# Altium PCB sla2216.PcbDoc (part 1 of 3) (continued)
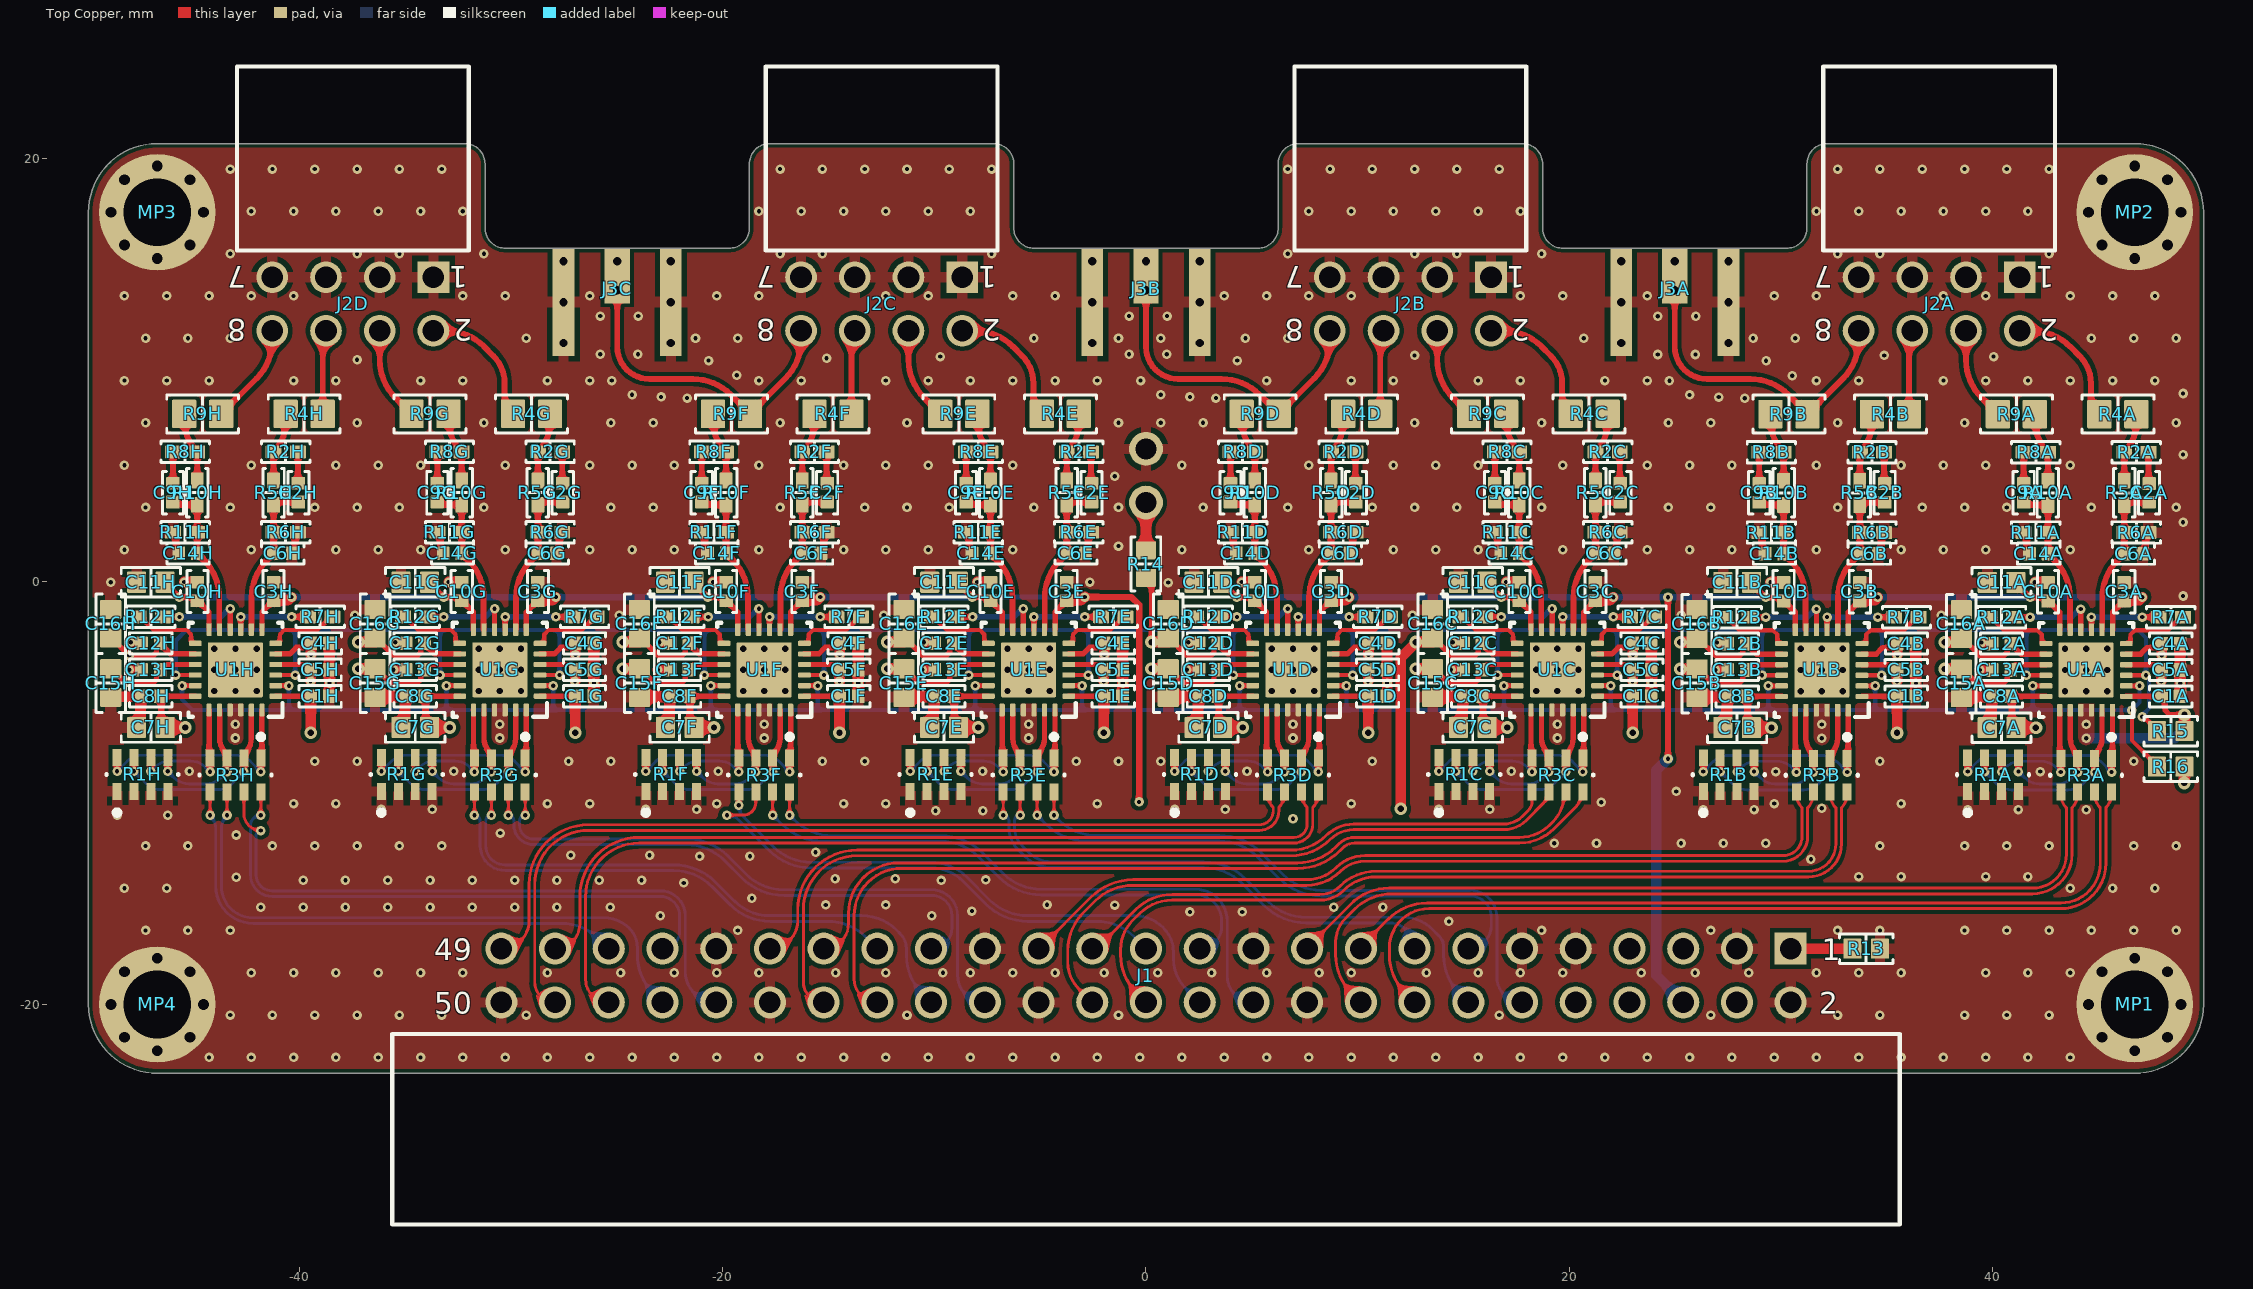
[diagram p0: Top Copper view]
## Design rules (kind name [scope] priority, off if disabled: settings) (continued)
23 further rules are at their usual default settings.

## Classes and differential pairs
net class 50_OHM: IN0 IN1 IN2 IN3 IN4 IN5 IN6 IN7 IN8 IN9 IN10 IN11 IN12 IN13 IN14 IN15 INAA_P INAB_P INAC_P INAD_P INAE_P INAF_P INAG_P INAH_P INBA_P INBB_P INBC_P INBD_P INBE_P INBF_P INBG_P INBH_P NetC2A_1 NetC2B_1 NetC2C_1 NetC2D_1 NetC2E_1 NetC2F_1 NetC2G_1 NetC2H_1 NetC9A_1 NetC9B_1 NetC9C_1 NetC9D_1 NetC9E_1 NetC9F_1 NetC9G_1 NetC9H_1 NetR2A_1 NetR2B_1 NetR2C_1 NetR2D_1 NetR2E_1 NetR2F_1 NetR2G_1 NetR2H_1 NetR8A_1 NetR8B_1 NetR8C_1 NetR8D_1 NetR8E_1 NetR8F_1 NetR8G_1 NetR8H_1
component class "SMA connector (C)": J3C
component class "SMA connector (B)": J3B
component class "SMA connector (A)": J3A
component class sla2216: MP1 MP2 MP3 MP4
component class "Oscilloscope connector": J1 LED1 R13 R14
component class "Measurement connector (D)": J2D
component class "Measurement connector (C)": J2C
component class "Measurement connector (B)": J2B
component class "Measurement connector (A)": J2A
component class "Latch enable pulls": R15 R16
component class "Comparator channels 14/15": C1H C2H C3H C4H C5H C6H C7H C8H C9H C10H C11H C12H C13H C14H C15H C16H R1H R2H R3H R4H R5H R6H R7H R8H R9H R10H R11H R12H U1H
component class "Comparator channels 12/13": C1G C2G C3G C4G C5G C6G C7G C8G C9G C10G C11G C12G C13G C14G C15G C16G R1G R2G R3G R4G R5G R6G R7G R8G R9G R10G R11G R12G U1G
component class "Comparator channels 10/11": C1F C2F C3F C4F C5F C6F C7F C8F C9F C10F C11F C12F C13F C14F C15F C16F R1F R2F R3F R4F R5F R6F R7F R8F R9F R10F R11F R12F U1F
component class "Comparator channels 8/9": C1E C2E C3E C4E C5E C6E C7E C8E C9E C10E C11E C12E C13E C14E C15E C16E R1E R2E R3E R4E R5E R6E R7E R8E R9E R10E R11E R12E U1E
component class "Comparator channels 6/7": C1D C2D C3D C4D C5D C6D C7D C8D C9D C10D C11D C12D C13D C14D C15D C16D R1D R2D R3D R4D R5D R6D R7D R8D R9D R10D R11D R12D U1D
component class "Comparator channels 4/5": C1C C2C C3C C4C C5C C6C C7C C8C C9C C10C C11C C12C C13C C14C C15C C16C R1C R2C R3C R4C R5C R6C R7C R8C R9C R10C R11C R12C U1C
component class "Comparator channels 2/3": C1B C2B C3B C4B C5B C6B C7B C8B C9B C10B C11B C12B C13B C14B C15B C16B R1B R2B R3B R4B R5B R6B R7B R8B R9B R10B R11B R12B U1B
component class "Comparator channels 0/1": C1A C2A C3A C4A C5A C6A C7A C8A C9A C10A C11A C12A C13A C14A C15A C16A R1A R2A R3A R4A R5A R6A R7A R8A R9A R10A R11A R12A U1A
channel class sla2216-conn-coax: "SMA connector (A)" "SMA connector (B)" "SMA connector (C)"
channel class sla2216-conn-dut: "Measurement connector (A)" "Measurement connector (B)" "Measurement connector (C)" "Measurement connector (D)"
channel class sla2216-comp: "Comparator channels 0/1" "Comparator channels 2/3" "Comparator channels 4/5" "Comparator channels 6/7" "Comparator channels 8/9" "Comparator channels 10/11" "Comparator channels 12/13" "Comparator channels 14/15"
differential pair class RSPECL: D0 D1 D2 D3 D4 D5 D6 D7 D8 D9 D10 D11 D12 D13 D14 D15
differential pair D15: +D15_P -D15_N
differential pair D14: +D14_P -D14_N
differential pair D13: +D13_P -D13_N
differential pair D12: +D12_P -D12_N
differential pair D11: +D11_P -D11_N
differential pair D10: +D10_P -D10_N
differential pair D9: +D9_P -D9_N
differential pair D8: +D8_P -D8_N
differential pair D7: +D7_P -D7_N
differential pair D6: +D6_P -D6_N
differential pair D5: +D5_P -D5_N
differential pair D4: +D4_P -D4_N
differential pair D3: +D3_P -D3_N
differential pair D2: +D2_P -D2_N
differential pair D1: +D1_P -D1_N
differential pair D0: +D0_P -D0_N

## Components (designator, comment, footprint, x,y, rotation, side; value= is the part's Value field where it differs from the comment)
C1A "CAPC_100n_10%_10V_X7R_0402" "CAP 0402/1005" 48.45,-5.435 r180 top (schematic designator C1)
C1B "CAPC_100n_10%_10V_X7R_0402" "CAP 0402/1005" 35.95,-5.435 r180 top (schematic designator C1)
C1C "CAPC_100n_10%_10V_X7R_0402" "CAP 0402/1005" 23.45,-5.425 r180 top (schematic designator C1)
C1D "CAPC_100n_10%_10V_X7R_0402" "CAP 0402/1005" 10.95,-5.425 r180 top (schematic designator C1)
C1E "CAPC_100n_10%_10V_X7R_0402" "CAP 0402/1005" -1.55,-5.425 r180 top (schematic designator C1)
C1F "CAPC_100n_10%_10V_X7R_0402" "CAP 0402/1005" -14.05,-5.425 r180 top (schematic designator C1)
C1G "CAPC_100n_10%_10V_X7R_0402" "CAP 0402/1005" -26.55,-5.425 r180 top (schematic designator C1)
C1H "CAPC_100n_10%_10V_X7R_0402" "CAP 0402/1005" -39.05,-5.425 r180 top (schematic designator C1)
C2A "CAPC_3p3_10%_16V_C0G_0402" "CAP 0402/1005" 47.425,4.19 r270 top (schematic designator C2)
C2B "CAPC_3p3_10%_16V_C0G_0402" "CAP 0402/1005" 34.925,4.19 r270 top (schematic designator C2)
C2C "CAPC_3p3_10%_16V_C0G_0402" "CAP 0402/1005" 22.425,4.2 r270 top (schematic designator C2)
C2D "CAPC_3p3_10%_16V_C0G_0402" "CAP 0402/1005" 9.925,4.2 r270 top (schematic designator C2)
C2E "CAPC_3p3_10%_16V_C0G_0402" "CAP 0402/1005" -2.575,4.2 r270 top (schematic designator C2)
C2F "CAPC_3p3_10%_16V_C0G_0402" "CAP 0402/1005" -15.075,4.2 r270 top (schematic designator C2)
C2G "CAPC_3p3_10%_16V_C0G_0402" "CAP 0402/1005" -27.575,4.2 r270 top (schematic designator C2)
C2H "CAPC_3p3_10%_16V_C0G_0402" "CAP 0402/1005" -40.075,4.2 r270 top (schematic designator C2)
C3A "CAPC_10n_10%_10V_X7R_0402" "CAP 0402/1005" 46.25,-0.485 r270 top (schematic designator C3)
C3B "CAPC_10n_10%_10V_X7R_0402" "CAP 0402/1005" 33.75,-0.485 r270 top (schematic designator C3)
C3C "CAPC_10n_10%_10V_X7R_0402" "CAP 0402/1005" 21.25,-0.475 r270 top (schematic designator C3)
C3D "CAPC_10n_10%_10V_X7R_0402" "CAP 0402/1005" 8.75,-0.475 r270 top (schematic designator C3)
C3E "CAPC_10n_10%_10V_X7R_0402" "CAP 0402/1005" -3.75,-0.475 r270 top (schematic designator C3)
C3F "CAPC_10n_10%_10V_X7R_0402" "CAP 0402/1005" -16.25,-0.475 r270 top (schematic designator C3)
C3G "CAPC_10n_10%_10V_X7R_0402" "CAP 0402/1005" -28.75,-0.475 r270 top (schematic designator C3)
C3H "CAPC_10n_10%_10V_X7R_0402" "CAP 0402/1005" -41.25,-0.475 r270 top (schematic designator C3)
C4A "CAPC_100n_10%_10V_X7R_0402" "CAP 0402/1005" 48.455,-2.935 r180 top (schematic designator C4)
C4B "CAPC_100n_10%_10V_X7R_0402" "CAP 0402/1005" 35.955,-2.935 r180 top (schematic designator C4)
C4C "CAPC_100n_10%_10V_X7R_0402" "CAP 0402/1005" 23.455,-2.925 r180 top (schematic designator C4)
C4D "CAPC_100n_10%_10V_X7R_0402" "CAP 0402/1005" 10.955,-2.925 r180 top (schematic designator C4)
C4E "CAPC_100n_10%_10V_X7R_0402" "CAP 0402/1005" -1.545,-2.925 r180 top (schematic designator C4)
C4F "CAPC_100n_10%_10V_X7R_0402" "CAP 0402/1005" -14.045,-2.925 r180 top (schematic designator C4)
C4G "CAPC_100n_10%_10V_X7R_0402" "CAP 0402/1005" -26.545,-2.925 r180 top (schematic designator C4)
C4H "CAPC_100n_10%_10V_X7R_0402" "CAP 0402/1005" -39.045,-2.925 r180 top (schematic designator C4)
C5A "CAPC_100n_10%_10V_X7R_0402" "CAP 0402/1005" 48.45,-4.185 r180 top (schematic designator C5)
C5B "CAPC_100n_10%_10V_X7R_0402" "CAP 0402/1005" 35.95,-4.185 r180 top (schematic designator C5)
C5C "CAPC_100n_10%_10V_X7R_0402" "CAP 0402/1005" 23.45,-4.175 r180 top (schematic designator C5)
C5D "CAPC_100n_10%_10V_X7R_0402" "CAP 0402/1005" 10.95,-4.175 r180 top (schematic designator C5)
C5E "CAPC_100n_10%_10V_X7R_0402" "CAP 0402/1005" -1.55,-4.175 r180 top (schematic designator C5)
C5F "CAPC_100n_10%_10V_X7R_0402" "CAP 0402/1005" -14.05,-4.175 r180 top (schematic designator C5)
C5G "CAPC_100n_10%_10V_X7R_0402" "CAP 0402/1005" -26.55,-4.175 r180 top (schematic designator C5)
C5H "CAPC_100n_10%_10V_X7R_0402" "CAP 0402/1005" -39.05,-4.175 r180 top (schematic designator C5)
C6A "CAPC_27p_10%_16V_C0G_0402" "CAP 0402/1005" 46.69,1.315 r0 top (schematic designator C6)
C6B "CAPC_27p_10%_16V_C0G_0402" "CAP 0402/1005" 34.19,1.315 r0 top (schematic designator C6)
C6C "CAPC_27p_10%_16V_C0G_0402" "CAP 0402/1005" 21.69,1.325 r0 top (schematic designator C6)
C6D "CAPC_27p_10%_16V_C0G_0402" "CAP 0402/1005" 9.19,1.325 r0 top (schematic designator C6)
C6E "CAPC_27p_10%_16V_C0G_0402" "CAP 0402/1005" -3.31,1.325 r0 top (schematic designator C6)
C6F "CAPC_27p_10%_16V_C0G_0402" "CAP 0402/1005" -15.81,1.325 r0 top (schematic designator C6)
C6G "CAPC_27p_10%_16V_C0G_0402" "CAP 0402/1005" -28.31,1.325 r0 top (schematic designator C6)
C6H "CAPC_27p_10%_16V_C0G_0402" "CAP 0402/1005" -40.81,1.325 r0 top (schematic designator C6)
C7A "CAPC_4μ7_10%_6V3_X7R_0603" "CAP 0603/1608" 40.45,-6.91 r180 top (schematic designator C7)
C7B "CAPC_4μ7_10%_6V3_X7R_0603" "CAP 0603/1608" 27.95,-6.91 r180 top (schematic designator C7)
C7C "CAPC_4μ7_10%_6V3_X7R_0603" "CAP 0603/1608" 15.45,-6.9 r180 top (schematic designator C7)
C7D "CAPC_4μ7_10%_6V3_X7R_0603" "CAP 0603/1608" 2.95,-6.9 r180 top (schematic designator C7)
C7E "CAPC_4μ7_10%_6V3_X7R_0603" "CAP 0603/1608" -9.55,-6.9 r180 top (schematic designator C7)
C7F "CAPC_4μ7_10%_6V3_X7R_0603" "CAP 0603/1608" -22.05,-6.9 r180 top (schematic designator C7)
C7G "CAPC_4μ7_10%_6V3_X7R_0603" "CAP 0603/1608" -34.55,-6.9 r180 top (schematic designator C7)
C7H "CAPC_4μ7_10%_6V3_X7R_0603" "CAP 0603/1608" -47.05,-6.9 r180 top (schematic designator C7)
C8A "CAPC_100n_10%_10V_X7R_0402" "CAP 0402/1005" 40.45,-5.435 r0 top (schematic designator C8)
C8B "CAPC_100n_10%_10V_X7R_0402" "CAP 0402/1005" 27.95,-5.435 r0 top (schematic designator C8)
C8C "CAPC_100n_10%_10V_X7R_0402" "CAP 0402/1005" 15.45,-5.425 r0 top (schematic designator C8)
C8D "CAPC_100n_10%_10V_X7R_0402" "CAP 0402/1005" 2.95,-5.425 r0 top (schematic designator C8)
C8E "CAPC_100n_10%_10V_X7R_0402" "CAP 0402/1005" -9.55,-5.425 r0 top (schematic designator C8)
C8F "CAPC_100n_10%_10V_X7R_0402" "CAP 0402/1005" -22.05,-5.425 r0 top (schematic designator C8)
C8G "CAPC_100n_10%_10V_X7R_0402" "CAP 0402/1005" -34.55,-5.425 r0 top (schematic designator C8)
C8H "CAPC_100n_10%_10V_X7R_0402" "CAP 0402/1005" -47.05,-5.425 r0 top (schematic designator C8)
C9A "CAPC_3p3_10%_16V_C0G_0402" "CAP 0402/1005" 41.495,4.19 r270 top (schematic designator C9)
C9B "CAPC_3p3_10%_16V_C0G_0402" "CAP 0402/1005" 28.995,4.19 r270 top (schematic designator C9)
C9C "CAPC_3p3_10%_16V_C0G_0402" "CAP 0402/1005" 16.495,4.2 r270 top (schematic designator C9)
C9D "CAPC_3p3_10%_16V_C0G_0402" "CAP 0402/1005" 3.995,4.2 r270 top (schematic designator C9)
C9E "CAPC_3p3_10%_16V_C0G_0402" "CAP 0402/1005" -8.505,4.2 r270 top (schematic designator C9)
C9F "CAPC_3p3_10%_16V_C0G_0402" "CAP 0402/1005" -21.005,4.2 r270 top (schematic designator C9)
C9G "CAPC_3p3_10%_16V_C0G_0402" "CAP 0402/1005" -33.505,4.2 r270 top (schematic designator C9)
C9H "CAPC_3p3_10%_16V_C0G_0402" "CAP 0402/1005" -46.005,4.2 r270 top (schematic designator C9)
C10A "CAPC_10n_10%_10V_X7R_0402" "CAP 0402/1005" 42.65,-0.485 r270 top (schematic designator C10)
C10B "CAPC_10n_10%_10V_X7R_0402" "CAP 0402/1005" 30.15,-0.485 r270 top (schematic designator C10)
C10C "CAPC_10n_10%_10V_X7R_0402" "CAP 0402/1005" 17.65,-0.475 r270 top (schematic designator C10)
C10D "CAPC_10n_10%_10V_X7R_0402" "CAP 0402/1005" 5.15,-0.475 r270 top (schematic designator C10)
C10E "CAPC_10n_10%_10V_X7R_0402" "CAP 0402/1005" -7.35,-0.475 r270 top (schematic designator C10)
C10F "CAPC_10n_10%_10V_X7R_0402" "CAP 0402/1005" -19.85,-0.475 r270 top (schematic designator C10)
C10G "CAPC_10n_10%_10V_X7R_0402" "CAP 0402/1005" -32.35,-0.475 r270 top (schematic designator C10)
C10H "CAPC_10n_10%_10V_X7R_0402" "CAP 0402/1005" -44.85,-0.475 r270 top (schematic designator C10)
C11A "CAPC_1μ_10%_6V3_X7R_0603" "CAP 0603/1608" 40.45,-0.045 r180 top (schematic designator C11)
C11B "CAPC_1μ_10%_6V3_X7R_0603" "CAP 0603/1608" 27.95,-0.045 r180 top (schematic designator C11)
C11C "CAPC_1μ_10%_6V3_X7R_0603" "CAP 0603/1608" 15.45,-0.035 r180 top (schematic designator C11)
C11D "CAPC_1μ_10%_6V3_X7R_0603" "CAP 0603/1608" 2.95,-0.035 r180 top (schematic designator C11)
C11E "CAPC_1μ_10%_6V3_X7R_0603" "CAP 0603/1608" -9.55,-0.035 r180 top (schematic designator C11)
C11F "CAPC_1μ_10%_6V3_X7R_0603" "CAP 0603/1608" -22.05,-0.035 r180 top (schematic designator C11)
C11G "CAPC_1μ_10%_6V3_X7R_0603" "CAP 0603/1608" -34.55,-0.035 r180 top (schematic designator C11)
C11H "CAPC_1μ_10%_6V3_X7R_0603" "CAP 0603/1608" -47.05,-0.035 r180 top (schematic designator C11)
C12A "CAPC_100n_10%_10V_X7R_0402" "CAP 0402/1005" 40.45,-2.935 r0 top (schematic designator C12)
C12B "CAPC_100n_10%_10V_X7R_0402" "CAP 0402/1005" 27.95,-2.935 r0 top (schematic designator C12)
C12C "CAPC_100n_10%_10V_X7R_0402" "CAP 0402/1005" 15.45,-2.925 r0 top (schematic designator C12)
C12D "CAPC_100n_10%_10V_X7R_0402" "CAP 0402/1005" 2.95,-2.925 r0 top (schematic designator C12)
C12E "CAPC_100n_10%_10V_X7R_0402" "CAP 0402/1005" -9.55,-2.925 r0 top (schematic designator C12)
C12F "CAPC_100n_10%_10V_X7R_0402" "CAP 0402/1005" -22.05,-2.925 r0 top (schematic designator C12)
C12G "CAPC_100n_10%_10V_X7R_0402" "CAP 0402/1005" -34.55,-2.925 r0 top (schematic designator C12)
C12H "CAPC_100n_10%_10V_X7R_0402" "CAP 0402/1005" -47.05,-2.925 r0 top (schematic designator C12)
C13A "CAPC_100n_10%_10V_X7R_0402" "CAP 0402/1005" 40.45,-4.185 r0 top (schematic designator C13)
C13B "CAPC_100n_10%_10V_X7R_0402" "CAP 0402/1005" 27.95,-4.185 r0 top (schematic designator C13)
C13C "CAPC_100n_10%_10V_X7R_0402" "CAP 0402/1005" 15.45,-4.175 r0 top (schematic designator C13)
C13D "CAPC_100n_10%_10V_X7R_0402" "CAP 0402/1005" 2.95,-4.175 r0 top (schematic designator C13)
C13E "CAPC_100n_10%_10V_X7R_0402" "CAP 0402/1005" -9.55,-4.175 r0 top (schematic designator C13)
C13F "CAPC_100n_10%_10V_X7R_0402" "CAP 0402/1005" -22.05,-4.175 r0 top (schematic designator C13)
C13G "CAPC_100n_10%_10V_X7R_0402" "CAP 0402/1005" -34.55,-4.175 r0 top (schematic designator C13)
C13H "CAPC_100n_10%_10V_X7R_0402" "CAP 0402/1005" -47.05,-4.175 r0 top (schematic designator C13)
C14A "CAPC_27p_10%_16V_C0G_0402" "CAP 0402/1005" 42.21,1.315 r180 top (schematic designator C14)
C14B "CAPC_27p_10%_16V_C0G_0402" "CAP 0402/1005" 29.71,1.315 r180 top (schematic designator C14)
C14C "CAPC_27p_10%_16V_C0G_0402" "CAP 0402/1005" 17.21,1.325 r180 top (schematic designator C14)
C14D "CAPC_27p_10%_16V_C0G_0402" "CAP 0402/1005" 4.71,1.325 r180 top (schematic designator C14)
C14E "CAPC_27p_10%_16V_C0G_0402" "CAP 0402/1005" -7.79,1.325 r180 top (schematic designator C14)
C14F "CAPC_27p_10%_16V_C0G_0402" "CAP 0402/1005" -20.29,1.325 r180 top (schematic designator C14)
C14G "CAPC_27p_10%_16V_C0G_0402" "CAP 0402/1005" -32.79,1.325 r180 top (schematic designator C14)
C14H "CAPC_27p_10%_16V_C0G_0402" "CAP 0402/1005" -45.29,1.325 r180 top (schematic designator C14)
C15A "CAPC_4μ7_10%_6V3_X7R_0603" "CAP 0603/1608" 38.55,-4.81 r270 top (schematic designator C15)
C15B "CAPC_4μ7_10%_6V3_X7R_0603" "CAP 0603/1608" 26.05,-4.81 r270 top (schematic designator C15)
C15C "CAPC_4μ7_10%_6V3_X7R_0603" "CAP 0603/1608" 13.55,-4.8 r270 top (schematic designator C15)
C15D "CAPC_4μ7_10%_6V3_X7R_0603" "CAP 0603/1608" 1.05,-4.8 r270 top (schematic designator C15)
C15E "CAPC_4μ7_10%_6V3_X7R_0603" "CAP 0603/1608" -11.45,-4.8 r270 top (schematic designator C15)
C15F "CAPC_4μ7_10%_6V3_X7R_0603" "CAP 0603/1608" -23.95,-4.8 r270 top (schematic designator C15)
C15G "CAPC_4μ7_10%_6V3_X7R_0603" "CAP 0603/1608" -36.45,-4.8 r270 top (schematic designator C15)
C15H "CAPC_4μ7_10%_6V3_X7R_0603" "CAP 0603/1608" -48.95,-4.8 r270 top (schematic designator C15)
C16A "CAPC_4μ7_10%_6V3_X7R_0603" "CAP 0603/1608" 38.55,-2.01 r270 top (schematic designator C16)
C16B "CAPC_4μ7_10%_6V3_X7R_0603" "CAP 0603/1608" 26.05,-2.01 r270 top (schematic designator C16)
C16C "CAPC_4μ7_10%_6V3_X7R_0603" "CAP 0603/1608" 13.55,-2 r270 top (schematic designator C16)
C16D "CAPC_4μ7_10%_6V3_X7R_0603" "CAP 0603/1608" 1.05,-2 r270 top (schematic designator C16)
C16E "CAPC_4μ7_10%_6V3_X7R_0603" "CAP 0603/1608" -11.45,-2 r270 top (schematic designator C16)
C16F "CAPC_4μ7_10%_6V3_X7R_0603" "CAP 0603/1608" -23.95,-2 r270 top (schematic designator C16)
C16G "CAPC_4μ7_10%_6V3_X7R_0603" "CAP 0603/1608" -36.45,-2 r270 top (schematic designator C16)
C16H "CAPC_4μ7_10%_6V3_X7R_0603" "CAP 0603/1608" -48.95,-2 r270 top (schematic designator C16)
J1 "612050235221" 612050235221 0,-25.9 r0 top locked
J2A "613008243121" 613008243121 37.5,20 r180 top locked (schematic designator J2)
J2B "613008243121" 613008243121 12.5,20 r180 top locked (schematic designator J2)
J2C "613008243121" 613008243121 -12.5,20 r180 top locked (schematic designator J2)
J2D "613008243121" 613008243121 -37.5,20 r180 top locked (schematic designator J2)
J3A "60312252111535" 60312252111535 25,22.025 r180 top locked (schematic designator J3)
J3B "60312252111535" 60312252111535 0,22.025 r180 top locked (schematic designator J3)
J3C "60312252111535" 60312252111535 -25,22.025 r180 top locked (schematic designator J3)
LED1 "151051BS04000" "Type 5mm" 0,5 r90 bottom
MP1 "M3" "MP M3" 46.75,-20 r0 top
MP2 "M3" "MP M3" 46.75,17.455 r0 top
MP3 "M3" "MP M3" -46.75,17.455 r0 top
MP4 "M3" "MP M3" -46.75,-20 r0 top
R1A "CAT16-221J4LF" FP-CAT16-F4-MFG 40.05,-9.135 r0 top (schematic designator R1)
R1B "CAT16-221J4LF" FP-CAT16-F4-MFG 27.55,-9.135 r0 top (schematic designator R1)
R1C "CAT16-221J4LF" FP-CAT16-F4-MFG 15.05,-9.125 r0 top (schematic designator R1)
R1D "CAT16-221J4LF" FP-CAT16-F4-MFG 2.55,-9.125 r0 top (schematic designator R1)
R1E "CAT16-221J4LF" FP-CAT16-F4-MFG -9.95,-9.125 r0 top (schematic designator R1)
R1F "CAT16-221J4LF" FP-CAT16-F4-MFG -22.45,-9.125 r0 top (schematic designator R1)
R1G "CAT16-221J4LF" FP-CAT16-F4-MFG -34.95,-9.125 r0 top (schematic designator R1)
R1H "CAT16-221J4LF" FP-CAT16-F4-MFG -47.45,-9.125 r0 top (schematic designator R1)
R2A "RES_497Ω_5%_50V_0402" "RES 0402/1005" 46.825,6.115 r0 top (schematic designator R2)
R2B "RES_497Ω_5%_50V_0402" "RES 0402/1005" 34.325,6.115 r0 top (schematic designator R2)
R2C "RES_497Ω_5%_50V_0402" "RES 0402/1005" 21.825,6.125 r0 top (schematic designator R2)
R2D "RES_497Ω_5%_50V_0402" "RES 0402/1005" 9.325,6.125 r0 top (schematic designator R2)
R2E "RES_497Ω_5%_50V_0402" "RES 0402/1005" -3.175,6.125 r0 top (schematic designator R2)
R2F "RES_497Ω_5%_50V_0402" "RES 0402/1005" -15.675,6.125 r0 top (schematic designator R2)
R2G "RES_497Ω_5%_50V_0402" "RES 0402/1005" -28.175,6.125 r0 top (schematic designator R2)
R2H "RES_497Ω_5%_50V_0402" "RES 0402/1005" -40.675,6.125 r0 top (schematic designator R2)
R3A "CAT16-49R9F4LF" FP-CAT16-F4-MFG 44.45,-9.16 r180 top (schematic designator R3)
R3B "CAT16-49R9F4LF" FP-CAT16-F4-MFG 31.95,-9.16 r180 top (schematic designator R3)
R3C "CAT16-49R9F4LF" FP-CAT16-F4-MFG 19.45,-9.15 r180 top (schematic designator R3)
R3D "CAT16-49R9F4LF" FP-CAT16-F4-MFG 6.95,-9.15 r180 top (schematic designator R3)
R3E "CAT16-49R9F4LF" FP-CAT16-F4-MFG -5.55,-9.15 r180 top (schematic designator R3)
R3F "CAT16-49R9F4LF" FP-CAT16-F4-MFG -18.05,-9.15 r180 top (schematic designator R3)
R3G "CAT16-49R9F4LF" FP-CAT16-F4-MFG -30.55,-9.15 r180 top (schematic designator R3)
R3H "CAT16-49R9F4LF" FP-CAT16-F4-MFG -43.05,-9.15 r180 top (schematic designator R3)
R4A "RES_300Ω_5%_50V_0805" "RES 0805/2012" 45.95,7.915 r0 top (schematic designator R4)
R4B "RES_300Ω_5%_50V_0805" "RES 0805/2012" 35.2,7.915 r180 top (schematic designator R4)
R4C "RES_300Ω_5%_50V_0805" "RES 0805/2012" 20.95,7.925 r0 top (schematic designator R4)
R4D "RES_300Ω_5%_50V_0805" "RES 0805/2012" 10.2,7.925 r180 top (schematic designator R4)
R4E "RES_300Ω_5%_50V_0805" "RES 0805/2012" -4.05,7.925 r0 top (schematic designator R4)
R4F "RES_300Ω_5%_50V_0805" "RES 0805/2012" -14.8,7.925 r180 top (schematic designator R4)
R4G "RES_300Ω_5%_50V_0805" "RES 0805/2012" -29.05,7.925 r0 top (schematic designator R4)
R4H "RES_300Ω_5%_50V_0805" "RES 0805/2012" -39.8,7.925 r180 top (schematic designator R4)
R5A "RES_90k8_5%_50V_0402" "RES 0402/1005" 46.25,4.19 r270 top (schematic designator R5)
R5B "RES_90k8_5%_50V_0402" "RES 0402/1005" 33.75,4.19 r270 top (schematic designator R5)
R5C "RES_90k8_5%_50V_0402" "RES 0402/1005" 21.25,4.2 r270 top (schematic designator R5)
R5D "RES_90k8_5%_50V_0402" "RES 0402/1005" 8.75,4.2 r270 top (schematic designator R5)
R5E "RES_90k8_5%_50V_0402" "RES 0402/1005" -3.75,4.2 r270 top (schematic designator R5)
R5F "RES_90k8_5%_50V_0402" "RES 0402/1005" -16.25,4.2 r270 top (schematic designator R5)
R5G "RES_90k8_5%_50V_0402" "RES 0402/1005" -28.75,4.2 r270 top (schematic designator R5)
R5H "RES_90k8_5%_50V_0402" "RES 0402/1005" -41.25,4.2 r270 top (schematic designator R5)
R6A "RES_10k_5%_50V_0402" "RES 0402/1005" 46.825,2.315 r0 top (schematic designator R6)
R6B "RES_10k_5%_50V_0402" "RES 0402/1005" 34.325,2.315 r0 top (schematic designator R6)
R6C "RES_10k_5%_50V_0402" "RES 0402/1005" 21.825,2.325 r0 top (schematic designator R6)
R6D "RES_10k_5%_50V_0402" "RES 0402/1005" 9.325,2.325 r0 top (schematic designator R6)
R6E "RES_10k_5%_50V_0402" "RES 0402/1005" -3.175,2.325 r0 top (schematic designator R6)
R6F "RES_10k_5%_50V_0402" "RES 0402/1005" -15.675,2.325 r0 top (schematic designator R6)
R6G "RES_10k_5%_50V_0402" "RES 0402/1005" -28.175,2.325 r0 top (schematic designator R6)
R6H "RES_10k_5%_50V_0402" "RES 0402/1005" -40.675,2.325 r0 top (schematic designator R6)
R7A "RES_10k_5%_50V_0402" "RES 0402/1005" 48.455,-1.685 r0 top (schematic designator R7)
R7B "RES_10k_5%_50V_0402" "RES 0402/1005" 35.955,-1.685 r0 top (schematic designator R7)
R7C "RES_10k_5%_50V_0402" "RES 0402/1005" 23.455,-1.675 r0 top (schematic designator R7)
R7D "RES_10k_5%_50V_0402" "RES 0402/1005" 10.955,-1.675 r0 top (schematic designator R7)
R7E "RES_10k_5%_50V_0402" "RES 0402/1005" -1.545,-1.675 r0 top (schematic designator R7)
R7F "RES_10k_5%_50V_0402" "RES 0402/1005" -14.045,-1.675 r0 top (schematic designator R7)
R7G "RES_10k_5%_50V_0402" "RES 0402/1005" -26.545,-1.675 r0 top (schematic designator R7)
R7H "RES_10k_5%_50V_0402" "RES 0402/1005" -39.045,-1.675 r0 top (schematic designator R7)
R8A "RES_497Ω_5%_50V_0402" "RES 0402/1005" 42.07,6.115 r180 top (schematic designator R8)
R8B "RES_497Ω_5%_50V_0402" "RES 0402/1005" 29.57,6.115 r180 top (schematic designator R8)
R8C "RES_497Ω_5%_50V_0402" "RES 0402/1005" 17.07,6.125 r180 top (schematic designator R8)
R8D "RES_497Ω_5%_50V_0402" "RES 0402/1005" 4.57,6.125 r180 top (schematic designator R8)
R8E "RES_497Ω_5%_50V_0402" "RES 0402/1005" -7.93,6.125 r180 top (schematic designator R8)
R8F "RES_497Ω_5%_50V_0402" "RES 0402/1005" -20.43,6.125 r180 top (schematic designator R8)
R8G "RES_497Ω_5%_50V_0402" "RES 0402/1005" -32.93,6.125 r180 top (schematic designator R8)
R8H "RES_497Ω_5%_50V_0402" "RES 0402/1005" -45.43,6.125 r180 top (schematic designator R8)
R9A "RES_300Ω_5%_50V_0805" "RES 0805/2012" 41.15,7.915 r0 top (schematic designator R9)
R9B "RES_300Ω_5%_50V_0805" "RES 0805/2012" 30.4,7.915 r180 top (schematic designator R9)
R9C "RES_300Ω_5%_50V_0805" "RES 0805/2012" 16.15,7.925 r0 top (schematic designator R9)
R9D "RES_300Ω_5%_50V_0805" "RES 0805/2012" 5.4,7.925 r180 top (schematic designator R9)
R9E "RES_300Ω_5%_50V_0805" "RES 0805/2012" -8.85,7.925 r0 top (schematic designator R9)
R9F "RES_300Ω_5%_50V_0805" "RES 0805/2012" -19.6,7.925 r180 top (schematic designator R9)
R9G "RES_300Ω_5%_50V_0805" "RES 0805/2012" -33.85,7.925 r0 top (schematic designator R9)
R9H "RES_300Ω_5%_50V_0805" "RES 0805/2012" -44.6,7.925 r180 top (schematic designator R9)
R10A "RES_90k8_5%_50V_0402" "RES 0402/1005" 42.645,4.19 r270 top (schematic designator R10)
R10B "RES_90k8_5%_50V_0402" "RES 0402/1005" 30.145,4.19 r270 top (schematic designator R10)
R10C "RES_90k8_5%_50V_0402" "RES 0402/1005" 17.645,4.2 r270 top (schematic designator R10)
R10D "RES_90k8_5%_50V_0402" "RES 0402/1005" 5.145,4.2 r270 top (schematic designator R10)
R10E "RES_90k8_5%_50V_0402" "RES 0402/1005" -7.355,4.2 r270 top (schematic designator R10)
R10F "RES_90k8_5%_50V_0402" "RES 0402/1005" -19.855,4.2 r270 top (schematic designator R10)
R10G "RES_90k8_5%_50V_0402" "RES 0402/1005" -32.355,4.2 r270 top (schematic designator R10)
R10H "RES_90k8_5%_50V_0402" "RES 0402/1005" -44.855,4.2 r270 top (schematic designator R10)
R11A "RES_10k_5%_50V_0402" "RES 0402/1005" 42.07,2.315 r180 top (schematic designator R11)
R11B "RES_10k_5%_50V_0402" "RES 0402/1005" 29.57,2.315 r180 top (schematic designator R11)
R11C "RES_10k_5%_50V_0402" "RES 0402/1005" 17.07,2.325 r180 top (schematic designator R11)
R11D "RES_10k_5%_50V_0402" "RES 0402/1005" 4.57,2.325 r180 top (schematic designator R11)
R11E "RES_10k_5%_50V_0402" "RES 0402/1005" -7.93,2.325 r180 top (schematic designator R11)
R11F "RES_10k_5%_50V_0402" "RES 0402/1005" -20.43,2.325 r180 top (schematic designator R11)
R11G "RES_10k_5%_50V_0402" "RES 0402/1005" -32.93,2.325 r180 top (schematic designator R11)
R11H "RES_10k_5%_50V_0402" "RES 0402/1005" -45.43,2.325 r180 top (schematic designator R11)
R12A "RES_10k_5%_50V_0402" "RES 0402/1005" 40.45,-1.685 r180 top (schematic designator R12)
R12B "RES_10k_5%_50V_0402" "RES 0402/1005" 27.95,-1.685 r180 top (schematic designator R12)
R12C "RES_10k_5%_50V_0402" "RES 0402/1005" 15.45,-1.675 r180 top (schematic designator R12)
R12D "RES_10k_5%_50V_0402" "RES 0402/1005" 2.95,-1.675 r180 top (schematic designator R12)
R12E "RES_10k_5%_50V_0402" "RES 0402/1005" -9.55,-1.675 r180 top (schematic designator R12)
R12F "RES_10k_5%_50V_0402" "RES 0402/1005" -22.05,-1.675 r180 top (schematic designator R12)
R12G "RES_10k_5%_50V_0402" "RES 0402/1005" -34.55,-1.675 r180 top (schematic designator R12)
R12H "RES_10k_5%_50V_0402" "RES 0402/1005" -47.05,-1.675 r180 top (schematic designator R12)
R13 "RES_0Ω_5%_50V_0603" "RES 0603/1608" 34.05,-17.36 r180 top
R14 "RES_100Ω_5%_50V_0603" "RES 0603/1608" -0.003,0.825 r270 top
R15 "RES_10k_5%_50V_0603" "RES 0603/1608" 48.455,-7.075 r180 top
R16 "RES_10k_5%_50V_0603" "RES 0603/1608" 48.45,-8.75 r180 top
U1A "LMH7322SQ/NOPB" RTW0024A_V 44.45,-4.185 r180 top locked (schematic designator U1)
U1B "LMH7322SQ/NOPB" RTW0024A_V 31.95,-4.185 r180 top locked (schematic designator U1)
U1C "LMH7322SQ/NOPB" RTW0024A_V 19.45,-4.175 r180 top locked (schematic designator U1)
U1D "LMH7322SQ/NOPB" RTW0024A_V 6.95,-4.175 r180 top locked (schematic designator U1)
U1E "LMH7322SQ/NOPB" RTW0024A_V -5.55,-4.175 r180 top locked (schematic designator U1)
U1F "LMH7322SQ/NOPB" RTW0024A_V -18.05,-4.175 r180 top locked (schematic designator U1)
U1G "LMH7322SQ/NOPB" RTW0024A_V -30.55,-4.175 r180 top locked (schematic designator U1)
U1H "LMH7322SQ/NOPB" RTW0024A_V -43.05,-4.175 r180 top locked (schematic designator U1)

## Footprints (in the part's own frame and the unit in brackets; to place one, negate y for a bottom-side part, rotate by r counter-clockwise, add the part's x,y. Pads: shape width x height; smd on the part's side, far side on the other; paste and mask are expansions set on the pad)
612050235221 [mm] "50 pins, right angled, gold plating, High Temperature"
  rect 1.52x1.52 hole 1.02: 1(30.48,8.54)
  round 1.52 hole 1.02: 2(30.48,6) 3(27.94,8.54) 4(27.94,6) 5(25.4,8.54) 6(25.4,6) 7(22.86,8.54) 8(22.86,6) 9(20.32,8.54) 10(20.32,6) 11(17.78,8.54) 12(17.78,6) 13(15.24,8.54) 14(15.24,6) 15(12.7,8.54) 16(12.7,6) 17(10.16,8.54) 18(10.16,6) 19(7.62,8.54) 20(7.62,6) 21(5.08,8.54) 22(5.08,6) 23(2.54,8.54) 24(2.54,6) 25(0,8.54) 26(0,6) 27(-2.54,8.54) 28(-2.54,6) 29(-5.08,8.54) 30(-5.08,6) 31(-7.62,8.54) 32(-7.62,6) 33(-10.16,8.54) 34(-10.16,6) 35(-12.7,8.54) 36(-12.7,6) 37(-15.24,8.54) 38(-15.24,6) 39(-17.78,8.54) 40(-17.78,6) 41(-20.32,8.54) 42(-20.32,6) 43(-22.86,8.54) 44(-22.86,6) 45(-25.4,8.54) 46(-25.4,6) 47(-27.94,8.54) 48(-27.94,6) 49(-30.48,8.54) 50(-30.48,6)
  silkscreen extent -35.64,-4.5 35.64,4.5, body extent -35.58,-4.4 35.58,8.86, height 9.1
613008243121 [mm] "Socket Header, Pitch 2.54 mm, THT, Angled, dual row, 8p"
  rect 1.5x1.5 hole 1.02: 1(-3.81,5.61)
  round 1.5 hole 1.02: 2(-3.81,8.15) 3(-1.27,5.61) 4(-1.27,8.15) 5(1.27,5.61) 6(1.27,8.15) 7(3.81,5.61) 8(3.81,8.15)
  silkscreen extent -5.48,-4.35 5.48,4.35, body extent -5.33,-4.25 5.33,8.35, height 5.05
60312252111535 [mm] "SMA End launch PCB Bulkhead Jack"
  rect 1.2x2.6 smd: 1(0,7.57)
  rect 1.02x5.1 smd: 2(-2.54,8.82) 3(2.54,8.82)
  rect 1.02x5.1 smd far side: 4(-2.54,8.82) 5(2.54,8.82)
  body extent -5.1,-11.38 5.1,11.38, height 5.36
"CAP 0402/1005" [mm] "Chip Capacitor, 2-Leads, Body 1.02x0.51mm, IPC Medium Density"
  rrect10% 0.6x0.64 smd: 1(-0.44,0) 2(0.44,0)
  silkscreen extent -1,-0.5 1,0.5, body extent -0.5,-0.26 0.5,0.26, height 0.52
"CAP 0603/1608" [mm] "Chip Capacitor, 2-Leads, Body 1.60x0.80mm, IPC Medium Density"
  rrect10% 0.9x1 smd: 1(-0.675,0) 2(0.675,0)
  silkscreen extent -1.4,-0.7 1.4,0.7, body extent -0.8,-0.41 0.8,0.41, height 0.82
FP-CAT16-F4-MFG [mm]
  rect 0.425x0.8 smd paste+0 mask+0: 1(-1.2,-0.8) 2(-0.4,-0.8) 3(0.4,-0.8) 4(1.2,-0.8) 5(1.2,0.8) 6(0.4,0.8) 7(-0.4,0.8) 8(-1.2,0.8)
  silkscreen extent -1.7,-1.92 1.7,0.03, body extent -1.8,-1.3 1.8,1.3, height 0.25
"MP M3" [mil] "M3 mountpoint"
  round 40 hole 20: MP(-86,0) MP(-60.81,-60.81) MP(-60.81,60.81) MP(0,-86) MP(0,86) MP(60.81,-60.81) MP(60.81,60.81) MP(86,0)
  round 216.54 hole 125.98: MP(0,0)
"RES 0402/1005" [mm] "Chip Resistor, 2-Leads, Body 1.0x0.5mm, IPC Medium Density"
  rrect10% 0.75x0.6 smd: 1(-0.575,0) 2(0.575,0)
  silkscreen extent -1.14,-0.51 1.14,0.51, body extent -0.5,-0.25 0.5,0.25, height 0.35
"RES 0603/1608" [mm] "Chip Resistor, 2-Leads, Body 1.60x0.80mm, IPC Medium Density"
  rrect10% 0.85x0.95 smd: 1(-0.65,0) 2(0.65,0)
  silkscreen extent -1.27,-0.7 1.27,0.7, body extent -0.8,-0.4 0.8,0.4, height 0.45
"RES 0805/2012" [mm] "Chip Resistor, 2-Leads, Body 2.00x1.25mm, IPC Medium Density"
  rrect10% 1.15x1.35 smd: 1(-0.875,0) 2(0.875,0)
  silkscreen extent -1.7,-0.9 1.7,0.9, body extent -0.95,-0.62 1.05,0.63, height 0.6
RTW0024A_V [mm] "QFN, 24-Leads, Body 4x4mm, Pitch 0.5mm, Thermal Pad 2.6x2.6mm, TI Recommended"
  rrect40% 0.6x0.25 smd mask+0.051: 1(-1.9,1.25) 2(-1.9,0.75) 3(-1.9,0.25) 4(-1.9,-0.25) 5(-1.9,-0.75) 6(-1.9,-1.25) 13(1.9,-1.25) 14(1.9,-0.75) 15(1.9,-0.25) 16(1.9,0.25) 17(1.9,0.75) 18(1.9,1.25)
  rrect40% 0.25x0.6 smd mask+0.051: 7(-1.25,-1.9) 8(-0.75,-1.9) 9(-0.25,-1.9) 10(0.25,-1.9) 11(0.75,-1.9) 12(1.25,-1.9) 19(1.25,1.9) 20(0.75,1.9) 21(0.25,1.9) 22(-0.25,1.9) 23(-0.75,1.9) 24(-1.25,1.9)
  rrect4% 2.6x2.6 smd paste-1.3 mask+0.051: 25(0,0)
  silkscreen extent -2.22,-2.22 2.22,2.22, body extent -2,-2 2,2, height 0.8
"Type 5mm" [mm] "THT, LED-5mm, 2pin- Body 5.8mm"
  round 1.6 hole 1: 1(1.27,0) 2(-1.27,0)
  silkscreen extent -2.9,-2.9 2.29,2.9, body extent -2.9,-2.9 2.5,2.9, height 8.6

## Part data
C1A C1B C1C C1D C1E C1F C1G C1H C4A C4B C4C C4D C4E C4F C4G C4H C5A C5B C5C C5D C5E C5F C5G C5H C8A C8B C8C C8D C8E C8F C8G C8H C12A C12B C12C C12D C12E C12F C12G C12H C13A C13B C13C C13D C13E C13F C13G C13H: library part Capacitor, "Ceramic Capacitor", Capacitance=100n, Dielectric=X7R, Package=0402, Rated Voltage=10V, Tolerance=10%, BOMref=CAPC_100n_10%_10V_X7R_0402
C2A C2B C2C C2D C2E C2F C2G C2H C9A C9B C9C C9D C9E C9F C9G C9H: library part Capacitor, "Ceramic Capacitor", Capacitance=3p3, Dielectric=C0G, Package=0402, Rated Voltage=16V, Tolerance=10%, BOMref=CAPC_3p3_10%_16V_C0G_0402
C3A C3B C3C C3D C3E C3F C3G C3H C10A C10B C10C C10D C10E C10F C10G C10H: library part Capacitor, "Ceramic Capacitor", Capacitance=10n, Dielectric=X7R, Package=0402, Rated Voltage=10V, Tolerance=10%, BOMref=CAPC_10n_10%_10V_X7R_0402
C6A C6B C6C C6D C6E C6F C6G C6H C14A C14B C14C C14D C14E C14F C14G C14H: library part Capacitor, "Ceramic Capacitor", Capacitance=27p, Dielectric=C0G, Package=0402, Rated Voltage=16V, Tolerance=10%, BOMref=CAPC_27p_10%_16V_C0G_0402
C7A C7B C7C C7D C7E C7F C7G C7H C15A C15B C15C C15D C15E C15F C15G C15H C16A C16B C16C C16D C16E C16F C16G C16H: library part Capacitor, "Ceramic Capacitor", Capacitance=4μ7, Dielectric=X7R, Package=0603, Rated Voltage=6V3, Tolerance=10%, BOMref=CAPC_4μ7_10%_6V3_X7R_0603
C11A C11B C11C C11D C11E C11F C11G C11H: library part Capacitor, "Ceramic Capacitor", Capacitance=1μ, Dielectric=X7R, Package=0603, Rated Voltage=6V3, Tolerance=10%, BOMref=CAPC_1μ_10%_6V3_X7R_0603
J1: library part CMP-1502-00050-1, "Male Box Header WR-BHD, THT, Angled, pitch 2.54 mm, 50 pins", Contact Resistance=20mOhm, Manufacturer="Wurth Elektronik", Operating Temperature=-40to125degC, Withstanding Voltage=500VAC, Working Voltage=250VAC, Datasheet URL=https://katalog.we-online.de/em/datasheet/6120xx235221.pdf, Gender=Male, Manufacturer URL=http://www.we-online.de, Mounting Technology=THT, Orientation=Angled, Package Reference=612050235221, Packaging=Tray, Part Number=612050235221, Pin Number=50, Pitch=2.54mm, Published Date=August2018, Publisher=WurthElektronik
J2A J2B J2C J2D: library part CMP-1502-01417-1, "THT Angled Socket Header WR-PHD, Pitch 2.54 mm, Dual Row, 8 pins", Contact Resistance=20mOhm, Manufacturer="Wurth Elektronik", Operating Temperature=-40to125degC, Rated Current=3A, Withstanding Voltage=500VAC, Working Voltage=250VAC, Datasheet URL=https://katalog.we-online.de/em/datasheet/6130xx243121.pdf, Gender=Female, Manufacturer URL=http://www.we-online.de, Mounting Technology=THT, Orientation=Angled, Package Reference=613008243121, Packaging=Tray, Part Number=613008243121, Pin Number=8, Pitch=2.54mm, Publisher=WurthElektronik, Row Number=Dual
J3A J3B J3C: "WR-SMA Connector, PCB End Launch Jack, IP67, DC~6GHz, 50Ohm", Frequency Range=DC~6GHz, Manufacturer="Wurth Elektronik", Operating Temperature="-65 to +165degC", Center Contact Diameter="0.51 WIDE x 0.25 THK", ComponentLink1Description=Manufacturer, ComponentLink1URL=http://www.we-online.de, ComponentLink2Description=Datasheet, ComponentLink2URL=https://www.we-online.com/catalog/datasheet/60312252111535.pdf, Connector Type=SMA, Gender=Jack, Impedance=50Ohm, Interface=MIL-STD-348, Manufacturer Part Number=60312252111535, Mounting Technology="End Launch", Orientation Type=Straight, Packaging=Tray, Published Date="November 2021"
LED1: library part CMP-1488-00009-1, "THT LED round mono-color color lens, WL-TMRW, Blue", Emitting color=Blue, Manufacturer="Wuerth Elektronik", ComponentLink1Description="Manufacturer URL", ComponentLink1URL=http://www.we-online.com, ComponentLink2Description=Datasheet, ComponentLink2URL=http://katalog.we-online.de/pbs/datasheet/7448042001.pdfhttp://katalog.we-online.de/pbs/datasheet/7448042001.pdfhttp://katalog.we-online.de/pbs/datasheet/7448042001.pdfhttp://katalog.we-online.de/pbs/datasheet/151051BS04000.pdf, PackageReference="Type 5mm", PartNumber=151051BS04000
MP1 MP2 MP3 MP4: library part Mountpoint, "PCB mountpoint"
R1A R1B R1C R1D R1E R1F R1G R1H: library part CMP-07230-000005-1, "RES ARRAY 4 RES 220 OHM 1206", Case Code (Imperial)=1206, Case Code (Metric)=3216, Max Operating Temperature=125°C, Min Operating Temperature=-55°C, Number of Resistors=4, Package Quantity=1, Power Per Element=62.5mW, Power Rating=248mW, Resistance=49.9R, Temperature Coefficient=200ppm/°C, Tolerance=1%, Voltage Rating=50V, Case/Package=1206, Circuit Type=Isolated, Depth=1.6mm, Height=0.024inch, Lead Pitch=0.8mm, Length=3.2mm, Military Standard=Not, Mount="Surface Mount", Number of Elements=4, Number of Pins=8, Number of Terminals=8, Packaging="Tape and Reel", Radiation Hardening=No, REACH SVHC="No SVHC", Terminal Pitch=0.8mm, Termination=Concave, Voltage Rating (DC)=50V, Width=0.063inch
R2A R2B R2C R2D R2E R2F R2G R2H R8A R8B R8C R8D R8E R8F R8G R8H: library part Resistor, "Resistor", Package=0402, Resistance=497Ω, Tolerance=5%, Voltage Rating=50V, BOMref=RES_497Ω_5%_50V_0402
R3A R3B R3C R3D R3E R3F R3G R3H: library part CMP-07230-000005-1, "RES ARRAY 4 RES 49.9 OHM 1206", Case Code (Imperial)=1206, Case Code (Metric)=3216, Max Operating Temperature=125°C, Min Operating Temperature=-55°C, Number of Resistors=4, Package Quantity=1, Power Per Element=62.5mW, Power Rating=248mW, Resistance=49.9R, Temperature Coefficient=200ppm/°C, Tolerance=1%, Voltage Rating=50V, Case/Package=1206, Circuit Type=Isolated, Depth=1.6mm, Height=0.024inch, Lead Pitch=0.8mm, Length=3.2mm, Military Standard=Not, Mount="Surface Mount", Number of Elements=4, Number of Pins=8, Number of Terminals=8, Packaging="Tape and Reel", Radiation Hardening=No, REACH SVHC="No SVHC", Terminal Pitch=0.8mm, Termination=Concave, Voltage Rating (DC)=50V, Width=0.063inch
R4A R4B R4C R4D R4E R4F R4G R4H R9A R9B R9C R9D R9E R9F R9G R9H: library part Resistor, "Resistor", Package=0805, Resistance=300Ω, Tolerance=5%, Voltage Rating=50V, BOMref=RES_300Ω_5%_50V_0805
R5A R5B R5C R5D R5E R5F R5G R5H R10A R10B R10C R10D R10E R10F R10G R10H: library part Resistor, "Resistor", Package=0402, Resistance=90k8, Tolerance=5%, Voltage Rating=50V, BOMref=RES_90k8_5%_50V_0402
R6A R6B R6C R6D R6E R6F R6G R6H R7A R7B R7C R7D R7E R7F R7G R7H R11A R11B R11C R11D R11E R11F R11G R11H R12A R12B R12C R12D R12E R12F R12G R12H: library part Resistor, "Resistor", Package=0402, Resistance=10k, Tolerance=5%, Voltage Rating=50V, BOMref=RES_10k_5%_50V_0402
R13: library part Resistor, "Resistor", Package=0603, Resistance=0Ω, Tolerance=5%, Voltage Rating=50V, BOMref=RES_0Ω_5%_50V_0603
R14: library part Resistor, "Resistor", Package=0603, Resistance=100Ω, Tolerance=5%, Voltage Rating=50V, BOMref=RES_100Ω_5%_50V_0603
R15 R16: library part Resistor, "Resistor", Package=0603, Resistance=10k, Tolerance=5%, Voltage Rating=50V, BOMref=RES_10k_5%_50V_0603
U1A U1B U1C U1D U1E U1F U1G U1H: library part CMP-0055-00284-3, "Dual 700 ps High Speed Comparator with RSPECL Outputs, 24-pin LLP, Pb-Free", Manufacturer="Texas Instruments", Package Reference=RTW0024A, PackageTopMarking=NS*UZXYTT*L7322SQ, PowerWise=Y, Code_JEDEC=MO-220-WGGD-6, ComponentLink1Description="Datasheet URL", ComponentLink1URL=http://www.ti.com/general/docs/lit/getliterature.tsp?genericPartNumber=LMH7322&fileType=pdf, CompType=Amplifiers, PackageDescription="LLP, Plastic, Quad, 4 x 4 x 0.8mm Body, 24 Lead, 0.5mm Pitch, No Pullback", PinCount=24, RoHS=Y

## Via types
v1: diameter 0.45, hole 0.2, Top Copper to Bottom Copper, tented both sides, 756 vias
v2: diameter 0.5, hole 0.3, Top Copper to Bottom Copper, 72 vias
v3: diameter 0.6, hole 0.3, Top Copper to Bottom Copper, tented both sides, 32 vias
v4: diameter 0.8, hole 0.4, Top Copper to Bottom Copper, tented both sides, 24 vias